# Altium PCB FOC_CONTROL_BOARD_v5.PcbDoc (part 2 of 2)
Units mm, origin at the board's own origin, x right, y up, seen from the top; angles counter-clockwise.
Board outline 94 x 100 mm, 4 copper layers (Top Layer, GND, VCC, Bottom Layer), stack 0.568 mm thick; 137 components, 99 nets, 473 pads, 547 vias.
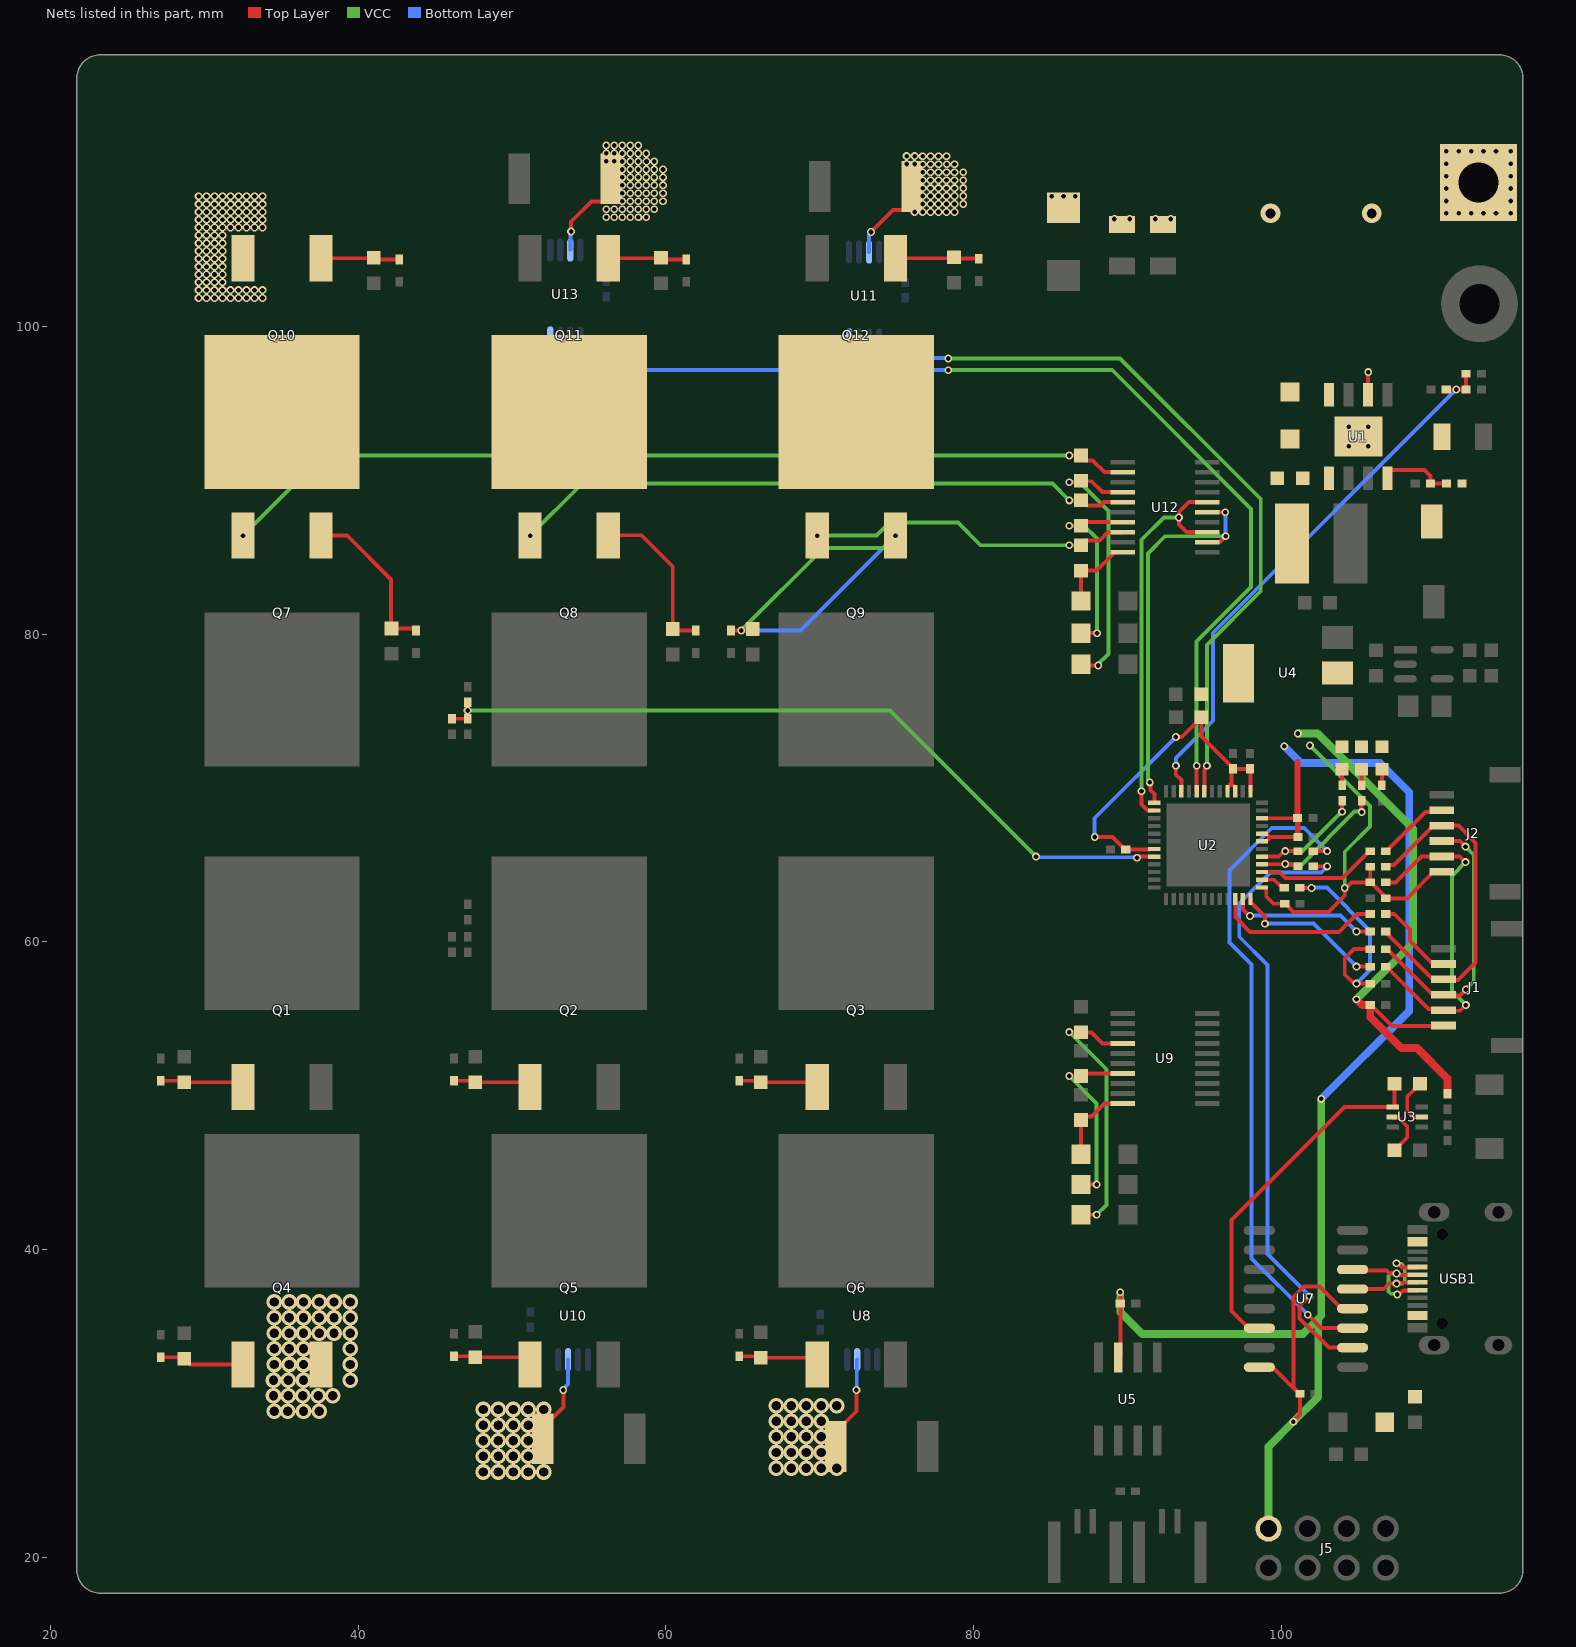
[diagram p4: the nets of this part, all layers, seen from the top]

## Via types
v1: diameter 0.508, hole 0.305, Top Layer to Bottom Layer, tented both sides, 449 vias
v2: diameter 1.016, hole 0.61, Top Layer to Bottom Layer, tented both sides, 83 vias
v3: diameter 0.61, hole 0.305, Top Layer to Bottom Layer, tented both sides, 9 vias
v4: diameter 1.27, hole 0.635, Top Layer to Bottom Layer, 4 vias
v5: diameter 0.75, hole 0.75, Top Layer to Bottom Layer, tented both sides, 2 vias

## Nets (pads, with @x,y where several pads share a name; then routed paths per layer and width w, separated by ;. In a path a pad name is that pad's centre, name@x,y a point inside that pad or via, vN(x,y) a via of type N, cw(c..) or ccw(c..) an arc to the next point about the centre after c; other vN are vias at no path point) (continued)
M2_PWM2: U2.13 U12.2 U12.5 | length 26
  Top Layer w0.254: v1(91.465,70.358) 91.514,70.309 91.514,69.848 91.766,69.596 U2.13@91.766,69.028 ; U12.2@95.206,85.974 95.229,85.997 96.034,85.997 v1(96.396,86.359) ; U12.5@95.206,87.924 v1(96.373,87.924)
  VCC w0.254: v1(91.465,70.358) 91.465,70.427 91.338,70.554 91.338,85.242 92.455,86.359 v1(96.396,86.359)
  Bottom Layer w0.254: v1(96.373,87.924) 96.384,87.913 96.384,86.371 v1(96.396,86.359)
M2_PWM3: U2.14 U12.3 U12.6 | length 26.2
  Top Layer w0.254: v1(90.932,69.778) 90.932,68.927 91.318,68.541 91.753,68.541 U2.14@91.766,68.528 ; U12.3@95.206,86.624 93.843,86.624 93.356,87.111 v1(93.356,87.581) 93.356,87.924 94.006,88.574 U12.6@95.206,88.574
  VCC w0.254: v1(90.932,69.778) 90.932,86.135 92.378,87.581 v1(93.356,87.581)
M2_S1: U2.7 U11.8 | length 51.9
  Top Layer w0.254: U2.7@95.016,69.778 95.016,71.21 95.176,71.37 v1(95.176,71.439)
  VCC w0.254: v1(78.359,97.917) 89.535,97.917 98.679,88.773 98.679,82.804 95.176,79.301 v1(95.176,71.439)
  Bottom Layer w0.254: U11.8@71.923,99.131 71.923,98.553 72.516,97.96 77.723,97.96 ; 77.724,97.959 78.317,97.959 v1(78.359,97.917)
M2_S2: U2.8 U13.8 | length 70.6
  Top Layer w0.254: U2.8@94.516,69.778 v1(94.516,71.439)
  VCC w0.254: v1(78.359,97.155) 89.027,97.155 98.044,88.138 98.044,83.058 94.516,79.53 v1(94.516,71.439)
  Bottom Layer w0.254: U13.8@52.492,99.258 52.492,98.13 53.467,97.155 v1(78.359,97.155)
M2_TEMP: C37.1 R37.1 R38.2 U2.20 | length 50.7
  Top Layer w0.254: C37.1@46.101,74.495 R38.2@47.117,74.495 v1(47.117,75.034) R37.1@47.117,75.573 ; v1(90.631,65.457) 90.7,65.457 90.771,65.528 U2.20@91.766,65.528
  VCC w0.254: v1(47.117,75.034) 74.572,75.034 v1(84.074,65.532)
  Bottom Layer w0.254: v1(84.074,65.532) 84.112,65.494 90.594,65.494 v1(90.631,65.457)
M2_VS1: C33.1 Q9.3 Q12.2 U12.18 | length 21.2
  Top Layer w0.254: v1(86.233,85.773) C33.1@86.995,85.773 87.312,86.09 88.215,86.09 88.726,86.601 89.683,86.601 U12.18@89.706,86.624
  VCC w0.254: v1(69.85,86.398) 73.698,86.398 74.549,87.249 78.994,87.249 80.47,85.773 v1(86.233,85.773)
M2_VS2: C34.1 Q8.3 Q11.2 U12.15 | length 40.6
  Top Layer w0.254: v1(86.233,88.694) C34.1@86.995,88.694 87.312,88.376 87.446,88.376 87.461,88.36 88.252,88.36 88.466,88.574 U12.15@89.706,88.574
  VCC w0.254: v1(51.181,86.398) 54.572,89.789 85.138,89.789 v1(86.233,88.694)
M2_VS3: C35.1 Q7.3 Q10.2 U12.12 | length 59.8
  Top Layer w0.254: v1(86.233,91.615) C35.1@86.995,91.615 87.312,91.297 87.752,91.297 88.525,90.524 U12.12@89.706,90.524
  VCC w0.254: v1(32.512,86.398) 37.728,91.615 v1(86.233,91.615)
NetC5_1: C5.1 D2.2 L1.1 U1.8
NetC5_2: C5.2 U1.1
NetC8_2: C8.2 R5.2 R6.1 | length 14.4
  Top Layer w0.254: R5.2@101.211,63.515 101.221,63.505 101.971,63.505 v1(101.981,63.495) ; C8.2@105.799,57.277 v1(104.902,57.277) 104.744,57.277 104.14,57.881 104.14,58.913 104.744,59.517 R6.1@105.799,59.517
  Bottom Layer w0.254: v1(101.981,63.495) 102.001,63.515 102.982,63.515 105.791,60.706 105.791,58.166 v1(104.902,57.277)
NetC27_2: C27.2 D7.2 U9.20 | length 5.4
  Top Layer w0.254: D7.2@86.995,46.187 C27.2@86.995,48.409 87.217,48.632 87.672,48.632 88.525,49.485 U9.20@89.706,49.485
NetC28_2: C28.2 D8.2 U9.17 | length 12.3
  Top Layer w0.254: v1(86.233,51.267) C28.2@86.995,51.267 87.163,51.435 U9.17@89.706,51.435 ; D8.2@86.995,44.218 v1(88.011,44.218)
  VCC w0.254: v1(86.233,51.267) 88.011,49.489 v1(88.011,44.218)
NetC29_2: C29.2 D9.2 U9.14 | length 17.9
  Top Layer w0.254: v1(86.233,54.124) C29.2@86.995,54.124 87.022,54.097 87.672,54.097 88.384,53.385 U9.14@89.706,53.385 ; D9.2@86.995,42.25 v1(88.011,42.25)
  VCC w0.254: v1(86.233,54.124) 88.646,51.711 88.646,42.885 v1(88.011,42.25)
NetC33_2: C33.2 D16.2 U12.20 | length 5.3
  Top Layer w0.254: D16.2@86.995,82.153 C33.2@86.995,84.122 87.995,84.122 89.033,85.159 89.033,85.301 89.056,85.324 U12.20@89.706,85.324
NetC34_2: C34.2 D17.2 U12.17 | length 12.9
  Top Layer w0.254: v1(86.233,87.043) C34.2@86.995,87.043 87.227,87.274 U12.17@89.706,87.274 ; D17.2@86.996,80.057 v1(88.037,80.057)
  VCC w0.254: v1(86.233,87.043) 87.201,87.043 88.037,86.207 v1(88.037,80.057)
NetC35_2: C35.2 D18.2 U12.14 | length 18.5
  Top Layer w0.254: v1(86.233,89.874) 86.906,89.874 C35.2@86.995,89.964 87.022,89.936 87.672,89.936 88.384,89.224 U12.14@89.706,89.224 ; D18.2@87.071,77.958 v1(88.113,77.958)
  VCC w0.254: v1(86.233,89.874) 86.91,89.874 88.773,88.011 88.773,78.714 v1@88.037,77.978
NetD3_2: D3.2 R15.1 | length 1.1
  Top Layer w0.254: R15.1@106.553,70.165 D3.2@106.553,71.221
NetD5_2: D5.2 R21.1 | length 1.1
  Top Layer w0.254: R21.1@103.971,70.165 D5.2@103.971,71.221
NetD6_2: D6.2 R23.1 | length 1.1
  Top Layer w0.254: R23.1@105.241,70.165 D6.2@105.241,71.221
NetD10_1: D10.1 Q1.1 R24.2 | length 5.5
  Top Layer w0.254: D10.1@27.178,50.959 28.607,50.959 R24.2@28.702,50.863 32.194,50.863 Q1.1@32.512,50.546
NetD11_1: D11.1 Q2.1 R25.2 | length 5.1
  Top Layer w0.254: D11.1@46.228,50.959 47.53,50.959 R25.2@47.625,50.863 50.863,50.863 Q2.1@51.181,50.546
NetD12_1: D12.1 Q3.1 R26.2 | length 5.3
  Top Layer w0.254: D12.1@64.77,50.959 66.072,50.959 R26.2@66.167,50.863 69.532,50.863 Q3.1@69.85,50.546
NetD13_1: D13.1 Q4.1 R29.2 | length 5.5
  Top Layer w0.254: D13.1@27.178,32.988 28.607,32.988 R29.2@28.702,32.893 29.083,32.512 Q4.1@32.512,32.512
NetD14_1: D14.1 Q5.1 R30.2 | length 5.2
  Top Layer w0.254: D14.1@46.228,33.052 47.561,33.052 R30.2@47.625,32.988 50.705,32.988 Q5.1@51.181,32.512
NetD15_1: D15.1 Q6.1 R31.2 | length 5.3
  Top Layer w0.254: D15.1@64.77,33.052 66.072,33.052 R31.2@66.167,32.956 69.406,32.956 Q6.1@69.85,32.512
NetD19_1: D19.1 Q7.1 R34.2 | length 10.6
  Top Layer w0.254: Q7.1@37.592,86.398 39.294,86.398 42.148,83.544 42.148,80.387 R34.2@42.173,80.362 43.64,80.362 43.763,80.239 D19.1@43.763,80.232
NetD20_1: D20.1 Q8.1 R35.2 | length 10.6
  Top Layer w0.254: Q8.1@56.261,86.398 56.286,86.423 58.42,86.423 60.457,84.387 R35.2@60.457,80.328 60.552,80.232 D20.1@61.94,80.232
NetD21_1: D21.1 Q9.1 R36.2 | length 26.6
  Top Layer w0.254: D21.1@64.243,80.232 v1(64.903,80.232) 65.564,80.232 R36.2@65.659,80.328
  VCC w0.254: v1(64.903,80.232) 70.269,85.598 74.13,85.598 v1(74.93,86.398)
  Bottom Layer w0.254: v1(64.903,80.232) 68.764,80.232 v1(74.93,86.398)
NetD22_1: D22.1 Q10.1 R39.2 | length 5.1
  Top Layer w0.254: Q10.1@37.592,104.432 40.996,104.432 41.066,104.362 D22.1@42.672,104.362
NetD23_1: D23.1 Q11.1 R40.2 | length 5.1
  Top Layer w0.254: Q11.1@56.261,104.432 59.665,104.432 R40.2@59.69,104.457 59.785,104.362 D23.1@61.341,104.362
NetD24_1: D24.1 Q12.1 R41.2 | length 6.8
  Top Layer w0.254: Q12.1@75.553,105.474 74.93,104.85 Q12.1@74.93,104.432 78.673,104.432 R41.2@78.74,104.499 78.835,104.404 D24.1@80.343,104.404
NetJ1_2: J1.2 J2.2 R1.1 R4.2 | length 22.6
  Top Layer w0.254: R4.2@106.799,58.374 106.849,58.374 109.585,55.638 110.331,55.638 110.454,55.515 111.635,55.515 112,55.88 v1(112.014,55.88) ; R1.1@106.799,63.857 107.431,63.857 109.12,65.546 J2.2@110.454,65.546 111.619,65.546 v1(111.992,65.173)
  VCC w0.254: v1(111.992,65.173) 111.102,64.282 111.102,56.792 v1(112.014,55.88)
NetJ1_3: J1.3 J2.3 R6.2 | length 18
  Top Layer w0.254: R6.2@106.799,59.517 106.922,59.394 107.025,59.394 109.904,56.515 110.454,56.515 111.633,56.515 v1(112.014,56.896) ; J2.3@110.454,66.546 111.63,66.546 v1(111.992,66.184)
  VCC w0.254: v1(111.992,66.184) 112.525,65.651 112.525,57.407 v1(112.014,56.896)
NetJ1_4: J1.4 J2.4 R2.1 R7.2 | length 22.9
  Top Layer w0.254: R7.2@106.799,60.66 106.849,60.66 106.972,60.537 106.972,60.447 109.037,58.382 109.904,57.515 110.454,57.515 111.505,57.515 112.649,58.659 112.649,66.421 111.524,67.546 J2.4@110.454,67.546 109.904,67.546 107.354,64.996 106.922,64.996 R2.1@106.799,64.873
NetJ1_5: J1.5 R9.2 | length 5.5
  Top Layer w0.254: R9.2@106.799,61.803 107.361,61.803 108.376,60.788 108.376,60.042 109.904,58.515 J1.5@110.454,58.515
NetJ2_5: J2.5 R13.2 | length 4.8
  Top Layer w0.254: R13.2@106.799,65.889 106.849,65.889 109.383,68.423 110.331,68.423 J2.5@110.454,68.546
NetR8_2: R8.2 R12.1 U1.4 | length 4.9
  Top Layer w0.254: U1.4@106.934,90.125 106.934,90.48 107.132,90.678 109.322,90.678 109.72,90.28 R8.2@109.72,89.789 R12.1@110.76,89.789
NetR10_1: R10.1 U3.2 | length 3.1
  Top Layer w0.254: U3.2@107.254,48.607 107.277,48.584 107.62,48.584 108.204,48 108.204,47.272 R10.1@107.376,46.444
NetR11_2: R11.2 U3.5 | length 3.2
  Top Layer w0.254: R11.2@109.027,50.762 108.204,49.939 108.204,48.988 108.585,48.607 U3.5@109.154,48.607
NetR20_2: R20.2 U7.3 | length 43.3
  Top Layer w0.254: v1(101.739,35.748) 102.607,34.88 U7.3@104.648,34.88 ; R20.2@102.1,65.889 v1(102.997,65.889)
  Bottom Layer w0.254: v1(101.739,35.748) 98.082,39.405 98.082,58.509 96.647,59.944 96.647,64.635 99.393,67.381 101.505,67.381 v1(102.997,65.889)
NetR22_2: R22.2 U7.2 | length 41
  Top Layer w0.254: v1(101.854,36.957) 101.205,36.308 101.205,35.509 103.104,33.61 U7.2@104.648,33.61 ; R22.2@102.1,64.897 v1(102.997,64.897)
  Bottom Layer w0.254: v1(101.854,36.957) 99.117,39.694 99.117,58.49 97.282,60.325 97.282,62.484 99.311,64.513 102.613,64.513 v1(102.997,64.897)
PGND: C1.2 C2.2 C6.2 D1.1 D2.1 pad.1 Q4.3 Q10.3 R12.2 R14.1 R32.1 R33.1 R42.1 R43.1 U1.6 U1.9 U8.3 U10.3 U11.3 U13.3 | length 25.6
  Top Layer w0.254: R32.1@51.991,27.686 51.991,28.398 53.34,29.747 v1(53.34,30.861) ; v1(53.848,106.172) 53.848,106.807 55.176,108.135 55.894,108.135 56.467,108.708 R42.1@56.467,109.601 ; R33.1@71.041,27.178 71.041,28.128 72.39,29.477 v1(72.39,30.861) ; v1(73.34,106.137) 74.773,107.57 75.659,107.57 75.659,108.727 R43.1@76.025,109.093 ; U1.6@105.664,95.549 v1(105.664,97.028)
  Bottom Layer w0.254: v1(53.34,30.861) 53.34,30.93 53.65,31.24 U10.3@53.65,32.837 ; U13.3@53.82,104.986 53.82,106.144 v1(53.848,106.172) ; v1(72.39,30.861) 72.418,30.889 72.418,32.809 U8.3@72.446,32.837 ; U11.3@73.223,104.831 73.223,105.952 73.34,106.069 v1(73.34,106.137)
  other v1: 104.394,92.202 105.664,92.202 104.394,93.472 105.664,93.472 29.63,101.854 30.149,101.854 30.668,101.854 31.187,101.854 31.706,101.854 32.225,101.854 32.744,101.854 33.263,101.854 33.782,101.854 29.63,102.362 30.149,102.362 30.668,102.362 31.187,102.362 31.706,102.362 32.225,102.362 32.744,102.362 33.263,102.362 33.782,102.362 29.63,102.87 30.149,102.87 30.668,102.87 31.187,102.87 29.63,103.378 30.149,103.378 30.668,103.378 31.187,103.378 29.63,103.886 30.149,103.886 30.668,103.886 31.187,103.886 29.63,104.394 30.149,104.394 30.668,104.394 31.187,104.394 29.63,104.902 30.149,104.902 30.668,104.902 31.187,104.902 29.63,105.41 30.149,105.41 30.668,105.41 31.187,105.41 29.63,105.918 30.149,105.918 30.668,105.918 31.187,105.918 29.63,106.426 30.149,106.426 30.668,106.426 31.187,106.426 31.706,106.426 32.225,106.426 32.744,106.426 33.263,106.426 33.782,106.426 29.63,106.934 30.149,106.934 30.668,106.934 31.187,106.934 31.706,106.934 32.225,106.934 32.744,106.934 33.263,106.934 33.782,106.934 89.162,106.983 90.162,106.983 91.829,106.983 92.829,106.983 56.134,107.103 56.653,107.103 57.172,107.103 57.691,107.103 58.218,107.103 58.729,107.103 110.744,107.349 111.552,107.349 112.358,107.349 113.164,107.349 113.97,107.349 114.935,107.349 29.63,107.442 30.149,107.442 30.668,107.442 31.187,107.442 31.706,107.442 32.225,107.442 32.744,107.442 33.263,107.442 33.782,107.442 76.178,107.439 76.697,107.439 77.216,107.439 77.735,107.439 78.254,107.439 78.773,107.439 56.134,107.62 56.653,107.62 57.172,107.62 57.691,107.62 58.21,107.62 58.729,107.62 59.248,107.62 29.63,107.95 30.149,107.95 30.668,107.95 31.187,107.95 31.706,107.95 32.225,107.95 32.744,107.95 33.263,107.95 33.782,107.95 76.697,107.957 77.216,107.957 77.735,107.957 78.254,107.957 78.773,107.957 79.342,107.957 57.172,108.138 57.691,108.138 58.21,108.138 58.729,108.138 59.248,108.138 59.817,108.138 110.744,108.155 114.935,108.155 29.63,108.458 30.149,108.458 30.668,108.458 31.187,108.458 31.706,108.458 32.225,108.458 32.744,108.458 33.263,108.458 33.782,108.458 85.09,108.458 85.852,108.458 86.614,108.458 76.697,108.474 77.216,108.474 77.735,108.474 78.254,108.474 78.773,108.474 79.342,108.474 57.172,108.655 57.691,108.655 58.21,108.655 58.729,108.655 59.248,108.655 59.817,108.655 110.744,108.961 114.935,108.961 76.697,108.992 77.216,108.992 77.735,108.992 78.254,108.992 78.773,108.992 79.342,108.992 57.172,109.173 57.691,109.173 58.21,109.173 58.729,109.173 59.248,109.173 59.817,109.173 76.697,109.509 77.216,109.509 77.735,109.509 78.254,109.509 78.773,109.509 79.342,109.509 57.172,109.69 57.691,109.69 58.21,109.69 58.729,109.69 59.248,109.69 59.817,109.69 110.744,109.767 114.935,109.767 76.697,110.027 77.216,110.027 77.735,110.027 78.254,110.027 78.773,110.027 79.342,110.027 57.172,110.208 57.691,110.208 58.21,110.208 58.729,110.208 59.248,110.208 59.817,110.208 76.697,110.544 77.216,110.544 77.735,110.544 78.267,110.544 78.773,110.544 75.659,110.563 76.178,110.563 110.744,110.573 114.935,110.573 57.172,110.725 57.691,110.725 58.21,110.725 58.742,110.725 59.248,110.725 56.134,110.744 56.653,110.744 76.697,111.061 77.216,111.061 77.735,111.061 78.254,111.061 75.659,111.071 76.178,111.071 56.134,111.252 56.653,111.252 57.172,111.243 57.691,111.243 58.21,111.243 58.729,111.243 110.744,111.379 111.552,111.379 112.358,111.379 113.164,111.379 113.97,111.379 114.935,111.379 56.134,111.76 56.653,111.76 57.172,111.76 57.691,111.76 58.21,111.76
  other v2: 48.133,25.527 49.107,25.527 50.08,25.527 51.054,25.527 52.07,25.527 67.183,25.781 68.157,25.781 69.13,25.781 70.104,25.781 71.12,25.781 48.133,26.543 49.107,26.543 50.08,26.543 51.054,26.543 67.183,26.797 68.157,26.797 69.13,26.797 70.104,26.797 48.133,27.559 49.107,27.559 50.08,27.559 51.054,27.559 67.183,27.813 68.157,27.813 69.13,27.813 70.104,27.813 48.133,28.575 49.107,28.575 50.08,28.575 51.054,28.575 67.183,28.829 68.157,28.829 69.13,28.829 70.104,28.829 34.544,29.464 35.433,29.464 36.449,29.464 37.465,29.464 48.133,29.591 49.107,29.591 50.08,29.591 51.054,29.591 52.07,29.591 67.183,29.845 68.157,29.845 69.13,29.845 70.104,29.845 71.12,29.845 34.496,30.48 35.465,30.48 36.401,30.48 37.417,30.48 38.354,30.48 34.496,31.496 35.465,31.496 36.449,31.496 39.497,31.496 34.544,32.512 35.512,32.512 36.449,32.512 39.497,32.512 34.544,33.528 35.512,33.528 36.449,33.528 39.497,33.528 34.544,34.544 35.512,34.544 36.449,34.544 37.465,34.544 38.433,34.544 39.497,34.544 34.544,35.56 35.512,35.56 36.449,35.56 37.465,35.56 38.433,35.56 39.497,35.56 34.544,36.576 35.512,36.576 36.449,36.576 37.465,36.576 38.433,36.576 39.497,36.576
  other v4: 99.314,107.349 105.899,107.349
RTS: R11.1 U3.1 U7.14 | length 23.3
  Top Layer w0.254: U7.14@98.59,34.88 97.879,34.88 96.774,35.985 96.774,41.91 104.121,49.257 U3.1@107.254,49.257 107.353,49.257 107.376,49.28 R11.1@107.376,50.762
RXD: R22.1 R23.2 U2.40 | length 9.5
  Top Layer w0.254: U2.40@98.766,65.028 98.775,65.037 100.268,65.037 v1(100.277,65.047) ; v1@100.277,65.028 100.919,65.028 101.05,64.897 R22.1@101.1,64.897 ; v1(105.241,68.423) R23.2@105.241,69.165
  VCC w0.254: v1(100.277,65.047) 100.296,65.028 101.35,65.028 104.775,68.453 105.211,68.453 v1(105.241,68.423)
SPI_CS0: R9.1 U2.34 | length 10.8
  Top Layer w0.254: U2.34@97.016,62.778 97.029,62.765 97.029,61.594 97.983,60.64 103.77,60.64 104.933,61.803 R9.1@105.799,61.803
SPI_CS1: R13.1 U2.39 | length 7.9
  Top Layer w0.254: U2.39@98.766,64.528 98.779,64.515 99.897,64.515 100.277,64.135 103.995,64.135 105.749,65.889 R13.1@105.799,65.889
SPI_MISO: R5.1 U2.38 | length 1.4
  Top Layer w0.254: U2.38@98.766,64.028 99.548,64.028 R5.1@99.965,63.611
SPI_MOSI: R4.1 U2.36 | length 10
  Top Layer w0.254: U2.36@98.016,62.778 98.016,62.518 98.029,62.505 98.072,62.505 98.949,61.628 v1(98.949,61.173) ; v1(104.902,58.382) 104.906,58.378 105.795,58.378 R4.1@105.799,58.374
  Bottom Layer w0.254: v1(98.949,61.173) 102.111,61.173 v1(104.902,58.382)
SPI_SCK: R7.1 U2.35 | length 9.6
  Top Layer w0.254: U2.35@97.516,62.778 97.516,62.094 97.939,61.671 v1(97.983,61.671) ; v1(104.902,60.66) R7.1@105.799,60.66
  Bottom Layer w0.254: v1(97.983,61.671) 98.019,61.707 103.855,61.707 v1(104.902,60.66)
TXD: R20.1 R21.2 U2.41 | length 8
  Top Layer w0.254: U2.41@98.766,65.528 99.848,65.528 100.209,65.889 R20.1@101.1,65.889 ; v1(103.971,68.453) R21.2@103.971,69.165
  VCC w0.254: v1(100.277,65.889) 101.407,65.889 v1(103.971,68.453)
USB_DN: U7.6 USB1.A7 USB1.B7 | length 7.6
  Top Layer w0.244: U7.6@104.648,38.69 104.718,38.62 106.847,38.62 107.033,38.434 v1(107.511,38.434) ; v1@107.688,38.328 USB1.A7@108.864,38.328 ; v1@107.777,37.163 107.941,37.328 USB1.B7@108.864,37.328
  VCC w0.244: v1(107.511,38.434) 107.508,38.43 107.125,38.43 106.983,38.287 106.983,37.259 107.125,37.116 107.508,37.116 v1(107.554,37.069)
USB_DP: U7.5 USB1.A6 USB1.B6 | length 8
  Top Layer w0.244: U7.5@104.648,37.42 106.68,37.42 107.033,37.773 107.582,37.773 107.637,37.828 USB1.A6@108.864,37.828 ; v1(107.511,39.094) 107.561,39.043 107.648,39.043 107.864,38.828 USB1.B6@108.864,38.828
  VCC w0.244: v1(107.511,37.773) 107.514,37.776 107.896,37.776 108.039,37.919 108.039,38.828 107.824,39.043 107.561,39.043 v1(107.511,39.094)
VBUS: C22.2 D4.1 USB1.A4 USB1.A9 USB1.B4 USB1.B9
VCC: C3.2 C7.2 C9.2 C10.2 C11.2 C12.2 C13.2 C14.2 C16.2 C17.2 C18.2 C25.1 D3.1 D5.1 D6.1 J1.1 J2.1 J5.2 R1.2 R2.2 R3.2 U2.1 U2.3 U2.4 U2.19 U2.37 U2.43 U2.46 U4.2 U5.3 U7.4 U7.16 | length 196.1
  Top Layer w0.254: v1(87.884,66.802) 89.046,66.802 89.858,65.99 C11.2@89.908,65.99 91.468,65.99 91.506,66.028 U2.19@91.766,66.028 ; U5.3@89.408,32.969 89.551,33.112 v1(89.551,37.211) ; v1(93.163,73.304) 93.17,73.311 93.547,73.311 C17.2@94.822,74.586 94.822,73.352 96.757,71.417 96.757,71.362 C12.2@96.88,71.239 C9.2@97.979,71.239 ; U2.4@96.516,69.778 96.516,70.038 96.79,70.312 ; C12.2@96.79,71.239 96.79,70.312 ; U2.3@97.016,69.778 97.016,70.038 96.79,70.264 96.79,70.312 ; U2.1@98.016,69.778 C9.2@98.016,71.156 ; U7.16@98.59,32.34 99.397,32.34 99.557,32.18 99.604,32.18 101.054,30.73 C25.1@101.104,30.73 ; U2.37@98.766,63.528 99.026,63.528 99.039,63.515 99.039,62.94 99.511,62.468 C14.2@100.235,62.468 100.285,62.468 100.814,61.939 103.087,61.939 104.14,62.992 v1(104.14,63.495) 104.209,63.495 104.571,63.857 R1.2@105.799,63.857 ; U2.43@98.766,66.528 99.026,66.528 99.268,66.77 99.268,66.786 99.252,66.802 ; U2.4@98.766,67.028 99.026,67.028 99.252,66.802 ; U2.46@98.766,68.028 C13.2@101.086,68.028 ; v1(100.801,28.792) 100.801,28.837 101.227,29.263 C25.1@101.227,30.607 101.141,30.694 101.036,30.798 100.799,31.035 100.799,36.918 101.473,37.592 102.495,37.592 103.937,36.15 U7.4@104.648,36.15 ; C10.2@101.1,66.802 99.252,66.802 ; C3.2@105.799,55.88 105.849,55.88 107.214,54.515 J1.1@110.454,54.515 ; R2.2@105.799,64.873 R1.2@105.799,63.857 ; J2.1@110.454,64.546 109.904,64.546 108.176,62.818 C7.2@106.799,62.818 106.749,62.818 106.626,62.941 106.626,63.079 105.849,63.857 R1.2@105.799,63.857
  Top Layer w0.381: C9.2@97.979,71.239 C9.2@98.026,71.285 ; 101.072,71.675 C13.2@101.072,68.044 101.086,68.03 101.086,68.028 101.086,66.816 C10.2@101.1,66.802
  Top Layer w0.508: v1(104.906,56.261) 105.287,55.88 C3.2@105.799,55.88 105.799,55.11 107.823,53.086 108.839,53.086 110.825,51.1 R3.2@110.825,50.115
  VCC w0.254: v1(101.872,72.751) 105.791,68.832 105.791,67.502 104.14,65.851 v1(104.14,63.495)
  VCC w0.508: v1(89.551,37.211) 89.551,35.925 90.983,34.493 101.417,34.493 102.414,35.49 ; J5.2@99.187,21.844 99.187,27.178 v1(100.801,28.792) 102.414,30.405 102.414,35.49 ; v1(101.092,73.533) 102.377,73.533 108.585,67.325 108.585,59.94 v1(104.906,56.261) ; v1(102.616,49.784) 102.616,35.692 102.414,35.49
  Bottom Layer w0.254: v1(87.884,66.802) 87.884,68.025 v1(93.163,73.304)
  Bottom Layer w0.508: v1(100.203,72.71) 101.285,71.628 106.426,71.628 108.331,69.723 108.331,55.499 v1(102.616,49.784)
VSENSE: C24.2 R18.2 R19.1 U2.10 | length 36.1
  Top Layer w0.254: v1(93.163,71.439) 93.154,71.43 93.154,70.87 93.516,70.508 U2.10@93.516,69.778 ; R18.2@110.742,95.897 v1(111.385,95.897) R19.1@112.028,95.897 C24.2@112.028,96.925
  Bottom Layer w0.254: v1(93.163,71.439) 93.163,71.954 95.575,74.366 95.575,80.087 v1@111.379,95.891
pads on no net: J1.0 J2.0 J3.0 J4.0 U1.2 U1.3 U1.5 U2.2 U2.25 U2.26 U2.27 U2.30 U2.31 U2.32 U2.33 U2.45 U2.47 U2.48 U5.5 U5.8 U6.4 U7.7 U7.8 U7.9 U7.10 U7.11 U7.12 U7.15 USB1. USB1.A5 USB1.A8 USB1.B5 USB1.B8
copper on no net:
  other v5: 112.667,48.631 114.445,48.631

## Polygon pours and split planes (outlines as drawn)
VBUS on Top Layer "VBUS_L01_P098" (solid, remove dead copper, pour order 98): 109.531,35.997 106.699,35.997 106.172,35.47 106.172,28.18 107.428,28.18 107.696,28.448 107.696,29.259 108.409,29.972 109.156,29.972 109.156,31.941 107.688,33.409 107.688,34.944 108.233,35.49
VCC on Top Layer "VCC_L01_P093" (solid, remove dead copper, pour order 93): 94.269,74.586 94.269,73.71 95.081,72.898 98.662,72.898 100.404,71.156 102.163,71.156 102.635,71.628 102.635,72.71 101.488,73.858 95.905,73.858 95.176,74.586
AGND on Top Layer "AGND_L01_P092" (solid, remove dead copper, pour order 92): 109.832,76.073 111.07,76.073 111.887,76.89 111.887,77.724 114.095,77.724 114.3,77.929 114.3,79.472 115.189,79.472 115.189,76.581 113.284,74.676 109.832,74.676
AVCC on Top Layer "AVCC_L01_P086" (solid, remove dead copper, pour order 86): 109.703,79.472 109.726,79.472 109.937,79.683 111.157,79.683 111.938,80.463 113.181,80.463 114.173,79.472 114.173,78.486 109.703,78.486
GND on Top Layer "GND_L01_P084" (solid, remove dead copper, pour order 84): 105.664,77.724 105.664,76.981 104.775,76.092 102.616,76.092 102.616,74.321 102.635,74.302 108.919,74.302 108.925,74.295 108.966,74.336 108.966,76.073 107.569,76.073 106.638,77.004 106.638,77.724
+5 on Top Layer "+5_L01_P082" (solid, remove dead copper, pour order 82): 102.997,29.54 104.3,29.54 104.3,26.035 102.997,26.035
VCC on Top Layer "VCC_L01_P080" (solid, remove dead copper, pour order 80): 103.527,72.151 106.953,72.151 106.953,73.152 103.505,73.152 101.6,75.057 101.6,76.962 100.203,76.962 100.203,75.565
GND on Top Layer "GND_L01_P079" (solid, remove dead copper, pour order 79): 113.03,43.053 113.03,33.147 115.443,33.147 115.443,43.053
GND on Top Layer "GND_L01_P078" (solid, remove dead copper, pour order 78): 108.237,40.99 108.237,42.136 109.154,43.053 115.062,43.053 115.316,42.799 115.316,42.037 115.062,41.783 110.313,41.783 109.519,40.988
GND on Top Layer "GND_L01_P076" (solid, remove dead copper, pour order 76): 108.235,35.21 108.235,34.546 108.233,34.544 108.233,33.499 108.585,33.147 115.062,33.147 115.443,33.528 115.443,34.163 115.062,34.544 109.582,34.544 109.347,34.779 109.347,35.05
VBUS on Top Layer "VBUS_L01_P075" (solid, remove dead copper, pour order 75): 108.233,35.4 109.835,35.4 110.744,36.309 110.744,39.588 109.532,40.8 108.233,40.8 108.233,40.2 109.533,40.2 110.285,39.448 110.285,36.751 109.531,35.997 108.235,35.997
VCC on Top Layer "VCC_L01_P073" (solid, remove dead copper, pour order 73): 104.775,78.232 101.6,78.232 100.457,79.375 96.139,79.375 94.269,77.505 94.269,74.085 96.88,74.085 98.36,75.565 100.457,75.565 101.6,76.708 104.775,76.708
+5 on Top Layer "+5_L01_P072" (solid, remove dead copper, pour order 72): 102.616,78.994 102.616,87.485 103.279,88.148 107.088,88.148 107.569,87.667 107.569,84.582 108.585,83.566 111.016,83.566 111.397,83.185 111.397,80.79 110.744,80.137 109.728,80.137 108.82,79.229 108.82,78.74 107.315,78.74 107.061,78.486 105.664,78.486 105.156,78.994
NetC5_1 on Top Layer "NETC5_1_L01_P071" (solid, remove dead copper, pour order 71): 98.552,89.362 98.546,89.356 98.546,83.277 101.854,83.277 101.854,87.838 101.544,88.148 100.33,89.362
PGND on Top Layer "PGND_L01_P070" (solid, remove dead copper, pour order 70): 106.045,94.107 106.045,91.339 110.258,91.339 111.252,90.345 111.252,88.519 108.966,88.519 108.966,86.106 111.397,86.106 113.16,87.869 113.16,90.629 111.252,92.537 111.252,93.787 110.932,94.107
DCBUS on Top Layer "DCBUS_L01_P069" (solid, remove dead copper, pour order 69): 104.775,94.787 104.775,97.409 104.267,97.917 83.82,97.917 83.82,97.409 84.201,97.028 103.759,97.028 104.013,96.774 104.013,94.787
NetC5_1 on Top Layer "NETC5_1_L01_P068" (solid, remove dead copper, pour order 68): 98.552,96.393 98.552,89.362 100.33,89.362 100.33,90.887 99.441,90.887 99.441,94.787 100.33,94.787 100.33,96.393
NetC5_2 on Top Layer "NETC5_2_L01_P067" (solid, remove dead copper, pour order 67): 103.505,90.887 100.838,90.887 100.838,89.362 103.505,89.362
PGND on Top Layer "PGND_L01_P066" (solid, remove dead copper, pour order 66): 99.949,93.472 103.849,93.472 103.849,91.948 99.949,91.948
NetC5_1 on Top Layer "NETC5_1_L01_P065" (solid, remove dead copper, pour order 65): 99.949,96.393 103.505,96.393 103.505,94.787 99.949,94.787
PGND on Top Layer "PGND_L01_P064" (solid, remove dead copper, pour order 64): 105.283,96.393 105.283,94.107 106.045,94.107 106.045,96.393
M1_IN+_2 on Top Layer "M1_IN+_2_L01_P017" (solid, remove dead copper, pour order 17): 55.402,36.576 58.928,36.576 58.928,25.908 57.15,25.908 57.15,29.337 55.402,31.085
DCBUS on Top Layer "DCBUS_L01_P061" (solid, remove dead copper, pour order 61): 77.089,71.628 77.592,71.628 77.597,71.623 79.883,73.909 79.883,99.949 84.074,104.14 115.717,104.14 115.717,98.806 85.471,98.806 84.582,97.917 84.582,70.866 79.121,65.405 77.089,65.405
M1_VS1 on Top Layer "M1_VS1_L01_P060" (solid, remove dead copper, pour order 60): 76.835,54.864 79.502,54.864 81.788,52.578 81.788,22.606 78.867,19.685 78.867,17.653 76.073,17.653 76.073,17.78 76.073,21.082 79.121,24.13 79.121,35.814 76.835,38.1
M1_VS2 on Top Layer "M1_VS2_L01_P058" (solid, remove dead copper, pour order 58): 60.833,54.864 62.738,52.959 62.738,17.653 59.944,17.653 59.944,36.322 58.801,37.465 56.515,37.465 56.515,54.864
M1_VS3 on Top Layer "M1_VS3_L01_P057" (solid, remove dead copper, pour order 57): 42.093,54.864 44.196,52.761 44.196,17.653 41.275,17.653 41.275,36.322 40.132,37.465 38.735,37.465 38.735,54.864
M2_VS1 on Top Layer "M2_VS1_L01_P056" (solid, remove dead copper, pour order 56): 67.945,82.08 65.367,82.08 63.119,84.328 63.119,108.394 58.737,112.776 56.515,114.998 56.515,117.653 59.639,117.653 59.69,117.602 59.69,116.078 66.04,109.728 66.04,100.749 67.348,99.441 67.945,99.441
M2_VS2 on Top Layer "M2_VS2_L01_P055" (solid, remove dead copper, pour order 55): 49.276,82.042 46.609,82.042 44.323,84.328 44.323,117.653 47.371,117.653 47.371,100.749 48.679,99.441 49.276,99.441
M2_VS3 on Top Layer "M2_VS3_L01_P054" (solid, remove dead copper, pour order 54): 29.68,82.08 27.178,84.582 27.178,98.298 23.583,101.893 23.583,110.07 26.416,112.903 31.115,112.903 32.385,114.173 32.385,117.653 35.306,117.653 35.306,113.03 32.766,110.49 27.813,110.49 26.416,109.093 26.416,103.124 30.061,99.479 30.48,99.06 30.48,82.08
PGND on Top Layer "PGND_L01_P026" (solid, remove dead copper, pour order 26): 75.184,111.506 75.184,106.934 78.74,106.934 79.629,107.823 79.629,110.617 78.74,111.506
PGND on Top Layer "PGND_L01_P023" (solid, remove dead copper, pour order 23): 58.42,112.141 60.198,110.363 60.198,107.696 59.309,106.807 55.753,106.807 55.753,112.141
DCBUS on Top Layer "DCBUS_L01_P050" (solid, remove dead copper, pour order 50): 29.845,71.623 77.597,71.623 77.597,65.405 29.845,65.405
M2_IN+_1 on Top Layer "M2_IN+_1_L01_P027" (solid, remove dead copper, pour order 27): 66.802,110.871 70.739,110.871 70.739,100.838 68.453,100.838 66.802,102.489
M2_IN+_2 on Top Layer "M2_IN+_2_L01_P022" (solid, remove dead copper, pour order 22): 51.181,111.506 49.149,111.506 48.641,110.998 48.641,100.584 52.07,100.584 52.07,106.553 51.181,107.442
PGND on Top Layer "PGND_L01_P021" (solid, remove dead copper, pour order 21): 29.21,108.839 34.29,108.839 34.29,101.6 29.21,101.6
PGND on Top Layer "PGND_L01_P020" (solid, remove dead copper, pour order 20): 66.675,30.48 71.882,30.48 71.882,25.146 66.675,25.146
PGND on Top Layer "PGND_L01_P019" (solid, remove dead copper, pour order 19): 47.625,30.226 52.832,30.226 52.832,24.892 47.625,24.892
M1_IN+_1 on Top Layer "M1_IN+_1_L01_P018" (solid, remove dead copper, pour order 18): 74.112,36.703 77.724,36.703 77.724,25.527 76.2,25.527 76.2,28.829 74.112,30.917
PGND on Top Layer "PGND_L01_P016" (solid, remove dead copper, pour order 16): 34.036,37.211 40.132,37.211 40.132,31.496 37.465,28.829 34.036,28.829
M2_VS1 on Top Layer "M2_VS1_L01_P006" (solid, remove dead copper, pour order 6): 67.31,82.08 73.533,82.08 73.533,88.176 77.47,89.319 77.47,89.446 77.47,99.479 67.31,99.479
M2_VS2 on Top Layer "M2_VS2_L01_P005" (solid, remove dead copper, pour order 5): 48.641,82.08 54.864,82.08 54.864,88.176 58.801,89.319 58.801,89.446 58.801,99.479 48.641,99.479
M2_VS3 on Top Layer "M2_VS3_L01_P004" (solid, remove dead copper, pour order 4): 29.972,82.08 36.195,82.08 36.195,88.176 40.132,89.319 40.132,89.446 40.132,99.479 29.972,99.479
M1_VS3 on Top Layer "M1_VS3_L01_P003" (solid, remove dead copper, pour order 3): 40.132,54.864 33.909,54.864 33.909,48.768 29.972,47.625 29.972,47.498 29.972,37.465 40.132,37.465
M1_VS2 on Top Layer "M1_VS2_L01_P002" (solid, remove dead copper, pour order 2): 58.801,54.864 52.578,54.864 52.578,48.768 48.641,47.625 48.641,47.498 48.641,37.465 58.801,37.465
M1_VS1 on Top Layer "M1_VS1_L01_P001" (solid, remove dead copper, pour order 1): 77.47,54.864 71.247,54.864 71.247,48.768 67.31,47.625 67.31,47.498 67.31,37.465 77.47,37.465
PGND on Bottom Layer "PGND_L04_P053" (solid, remove dead copper, pour order 53): 34.036,37.211 40.132,37.211 47.117,30.226 78.613,30.226 79.121,30.734 79.121,108.077 82.931,108.077 82.931,27.051 80.772,24.892 47.117,24.892 43.18,28.829 34.036,28.829
PGND on Bottom Layer "PGND_L04_P052" (solid, remove dead copper, pour order 52): 29.21,101.6 34.417,101.6 39.497,106.68 115.717,106.68 115.717,112.014 37.465,112.014 34.417,108.966 29.21,108.966
AVCC on VCC "AVCC_L03_P087" (solid, remove dead copper, pour order 87): 110.998,78.486 114.173,78.486 114.173,80.645 92.71,102.108 38.735,102.108 38.735,100.838 92.202,100.838 110.998,82.042 110.998,78.74
AVCC on VCC "AVCC_L03_P088" (solid, remove dead copper, pour order 88): 38.749,102.122 22.479,85.852 22.479,45.212 28.702,38.989 78.74,38.989 78.74,40.132 29.337,40.132 23.368,46.101 23.368,85.471 38.989,101.092
GND on GND "GND_L02_P097" (solid, remove dead copper, pour order 97): 113.091,93.576 114.046,93.576 114.046,84.519 110.807,81.28 109.601,81.28 108.587,80.266 108.587,74.093 109.401,73.279 115.717,73.279 115.717,19.153 114.217,17.653 83.693,17.653 83.566,17.78 83.566,98.298 91.694,98.298 101.092,88.9 108.415,88.9
PGND on GND "PGND_L02_P096" (solid, remove dead copper, pour order 96): 113.091,96.266 107.712,90.887 102.661,90.887 91.821,101.727 47.561,101.727 43.815,97.98 43.815,38.608 47.244,35.179 72.263,35.179 73.096,36.012 73.096,37.831 72.065,38.862 49.312,38.862 47.625,40.549 47.625,55.499 49.403,57.277 49.403,79.248 47.625,81.026 47.625,95.758 50.165,98.298 83.058,98.298 83.058,17.653 23.217,17.653 21.717,19.153 21.717,116.153 23.217,117.653 114.217,117.653 115.717,116.153 115.717,96.266
AGND on GND "AGND_L02_P095" (solid, remove dead copper, pour order 95): 114.173,73.787 115.717,75.331 115.717,95.23 115.697,95.25 113.203,95.25 108.298,90.345 102.06,90.345 91.567,100.838 48.387,100.838 44.958,97.409 44.958,39.624 48.006,36.576 71.796,36.576 71.796,37.565 48.388,37.565 46.101,39.852 46.101,57.404 47.417,58.72 47.417,59.317 46.101,60.633 46.101,71.247 47.371,72.517 47.371,73.575 46.101,74.845 46.101,96.953 49.097,99.949 91.313,99.949 101.727,89.535 108.538,89.535 113.458,94.455 113.792,94.455 114.3,93.947 114.3,84.01 111.016,80.727 109.927,80.727 109.274,80.073 109.274,74.495 109.982,73.787

## Other copper
Top Layer:
  text "1.TOP" at 12.295,121.374 h8
GND:
  text "2.GND" at 37.605,121.374 h8
VCC:
  text "3.VCC" at 64.049,121.374 h8
Bottom Layer:
  text "4.BOTTOM" at 89.789,121.374 h8

## Silkscreen, mask and mechanical layers (free items; w line width, h text height)
Top Overlay:
  text "-" at 110.744,111.379 h5 r90
  text "Cap 470uF" at 98.884,105.054 h1
  text "+" at 108.541,103.922 h5
Bottom Overlay:
  drawing of 4472 lines, arcs and shapes, not listed
  text "v0.5" at 40.005,75.21 h2.3
  text "High-performance BLDC Driver" at 77.592,70.231 h3.5
  text "SPI" at 114.947,67.183 h5 r90
  text "FOC algorithm is inside" at 72.542,65.913 h3.5
  text "Designed by Yue" at 62.23,62.383 h2.3
  text "15/02/2022" at 59.944,59.716 h2.3
  text "UART" at 106.68,44.831 h5 r90
  text "IO10" at 102.418,31.873 h2 r90
  text "IO35" at 104.958,31.886 h2 r90
  text "IO21" at 107.498,31.628 h2 r90
  text "VCC" at 99.878,31.28 h2 r90
  text "GND" at 99.878,27.178 h2 r90
  text "GND" at 102.418,27.178 h2 r90
  text "IO4" at 104.958,26.687 h2 r90
  text "IO9" at 107.498,26.695 h2 r90
  text "CAN" at 94.488,24.245 h5
  text "H" at 87.066,21.209 h1.5 r90
  text "L" at 88.463,21.209 h1.5 r90
  text "H" at 92.654,21.209 h1.5 r90
  text "L" at 94.051,21.209 h1.5 r90
Top Solder:
  drawing of 21 lines, arcs and shapes, not listed
Bottom Solder:
  region: 29.21,101.6 34.417,101.6 39.497,106.68 115.717,106.68 115.717,112.014 37.465,112.014 34.417,108.966 29.21,108.966
  region: 34.036,37.211 40.132,37.211 47.117,30.226 78.613,30.226 79.121,30.734 79.121,106.98 79.138,106.998 82.931,106.998 82.931,27.051 80.772,24.892 47.117,24.892 43.18,28.829 34.036,28.829
Mechanical 1:
  circle w0.152: c112.967,20.403 r1.25
  circle w0.152: c112.967,114.903 r1.25
  circle w0.152: c24.467,20.403 r1.25
  circle w0.152: c24.467,114.903 r1.25
  lines w0.12: 21.717,19.153 ccw(c23.217,19.153) 23.217,17.653 114.217,17.653 ccw(c114.217,19.153) 115.717,19.153 115.717,116.153 ccw(c114.217,116.153) 114.217,117.653 23.217,117.653 ccw(c23.217,116.153) 21.717,116.153 21.717,19.153

## Text inside footprints (layer, text, board x,y; h text height)
C6: Top Overlay "+" at 112.35,81.724 h0.8 r90